# Altium PCB DMB.PcbDoc
Units mm, origin at the board's own origin, x right, y up, seen from the top; angles counter-clockwise.
Board outline 57 x 65 mm, 4 copper layers (Top Layer, Layer 1, Layer 2, Bottom Layer), stack 1.544 mm thick; 73 components, 78 nets, 313 pads, 186 vias.
Unrouted connection lines stored in the file: 5.
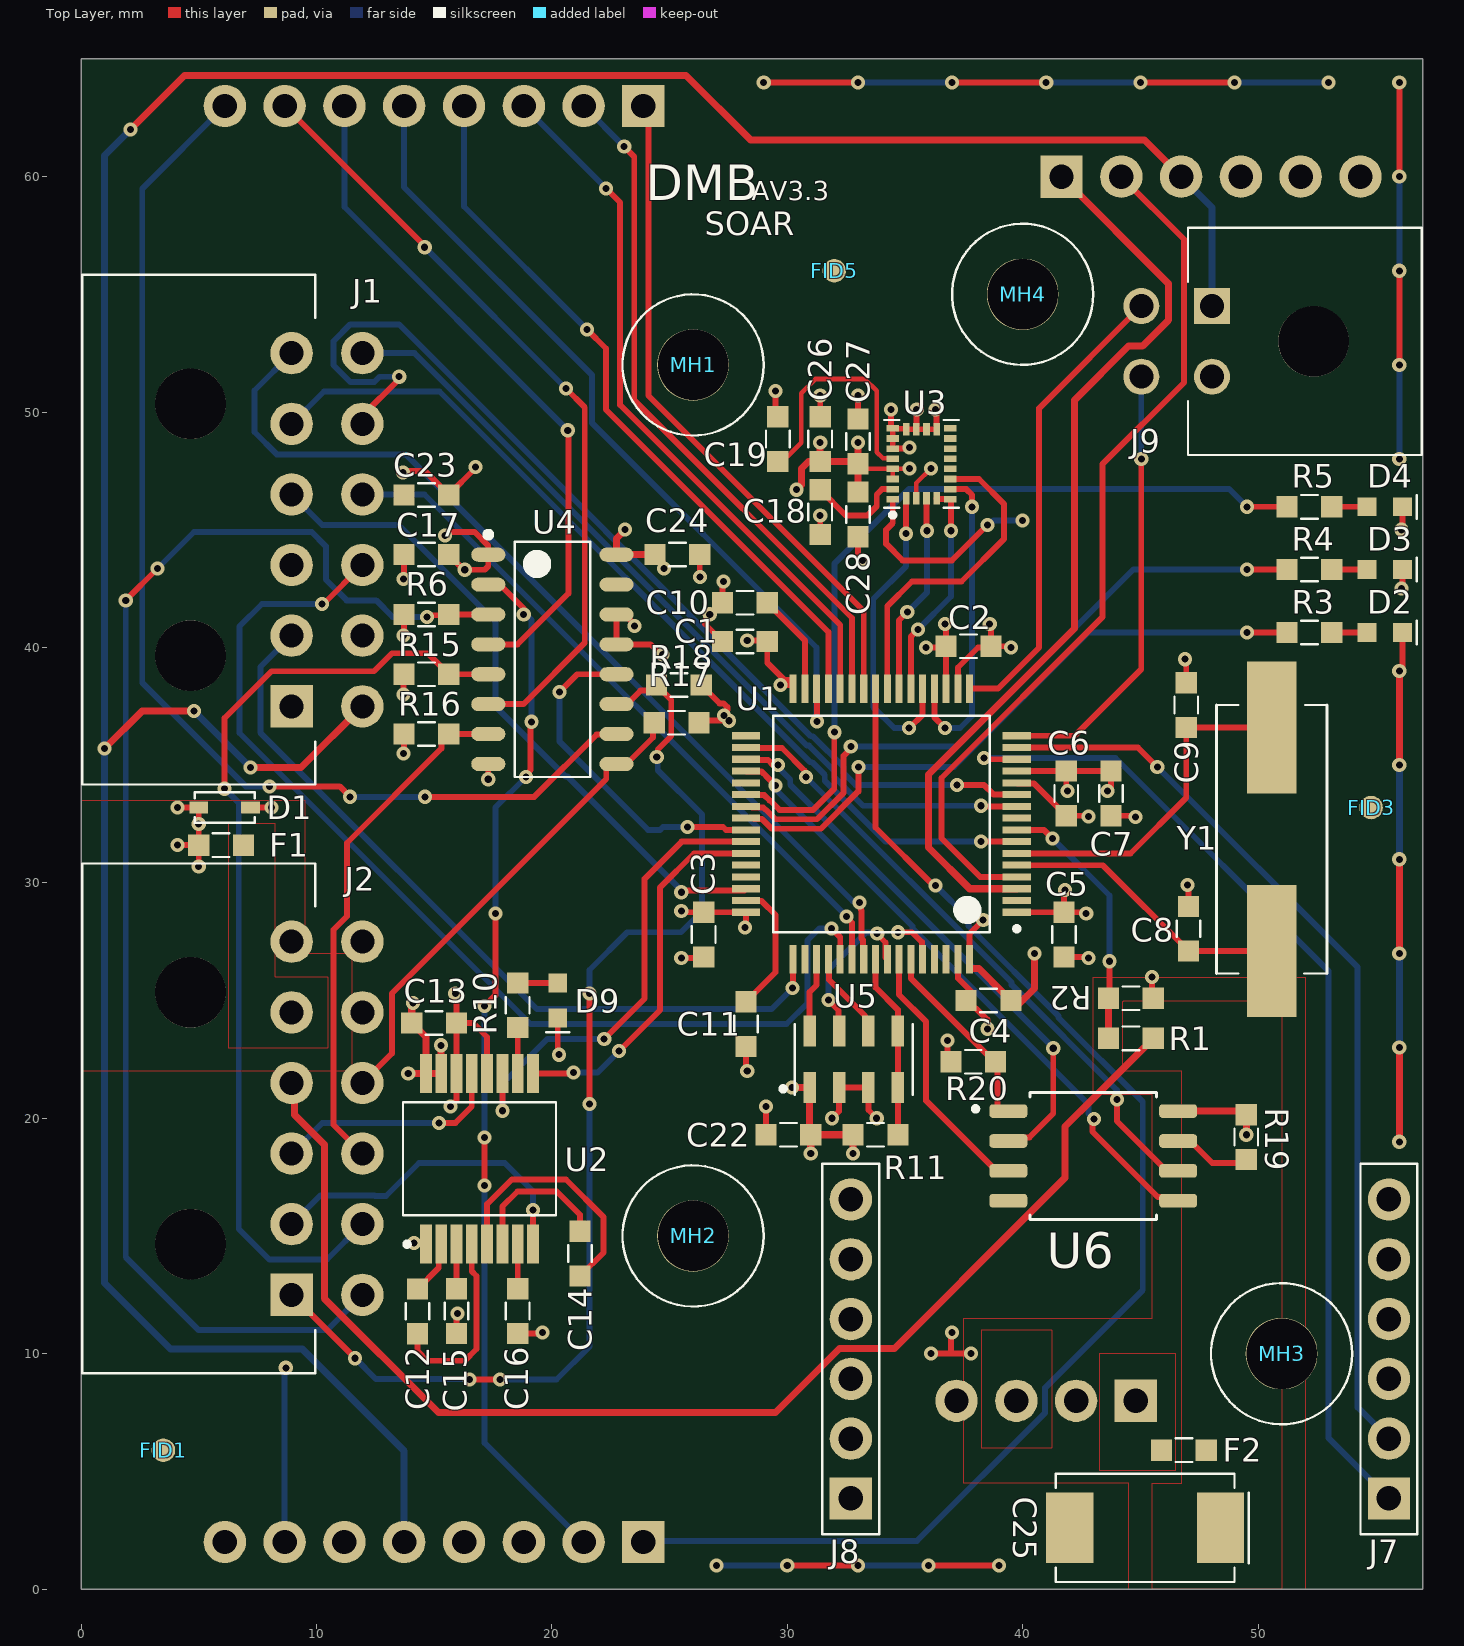
[diagram p0: Top Layer view]
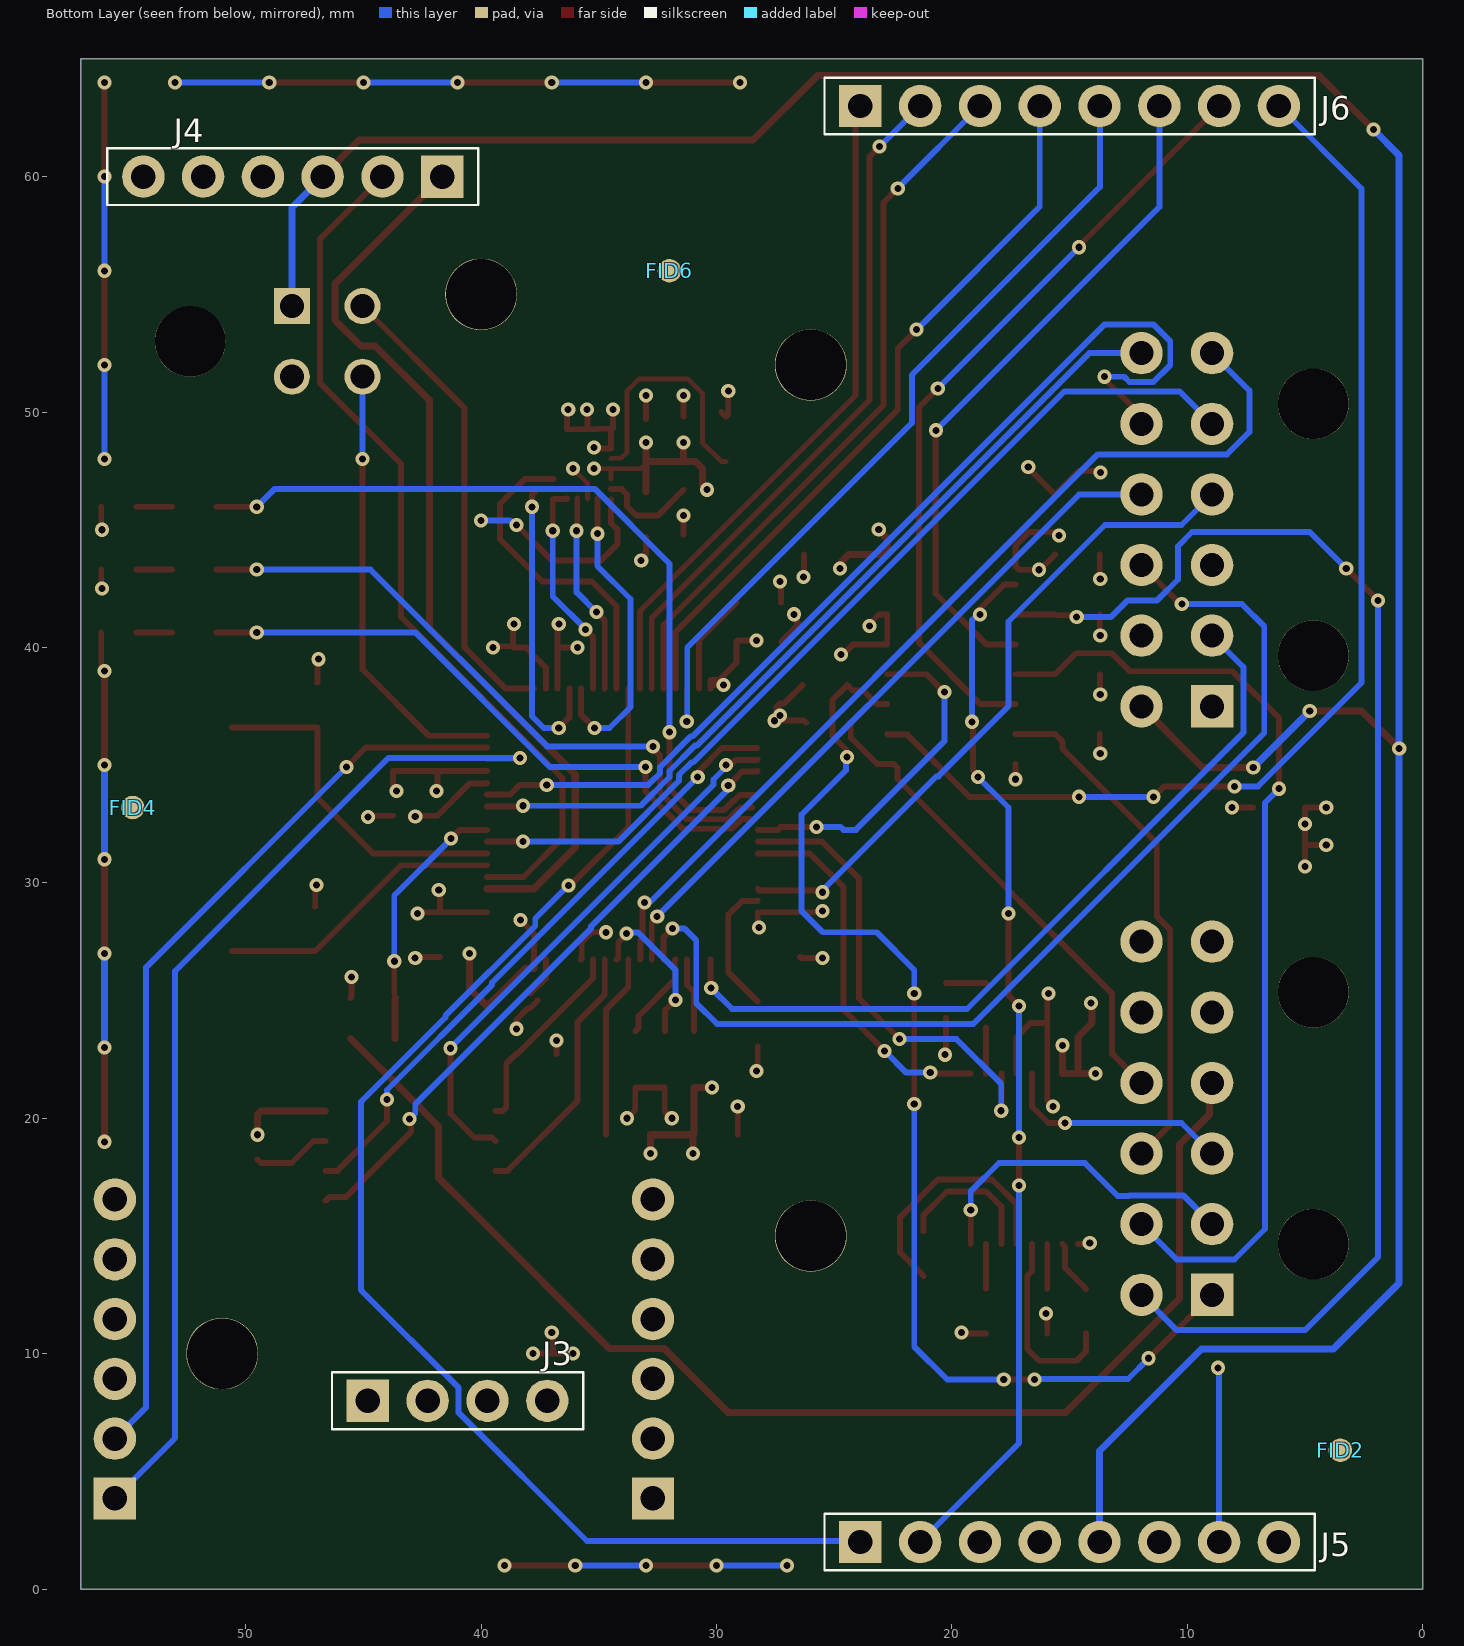
[diagram p1: Bottom Layer view, seen from below]
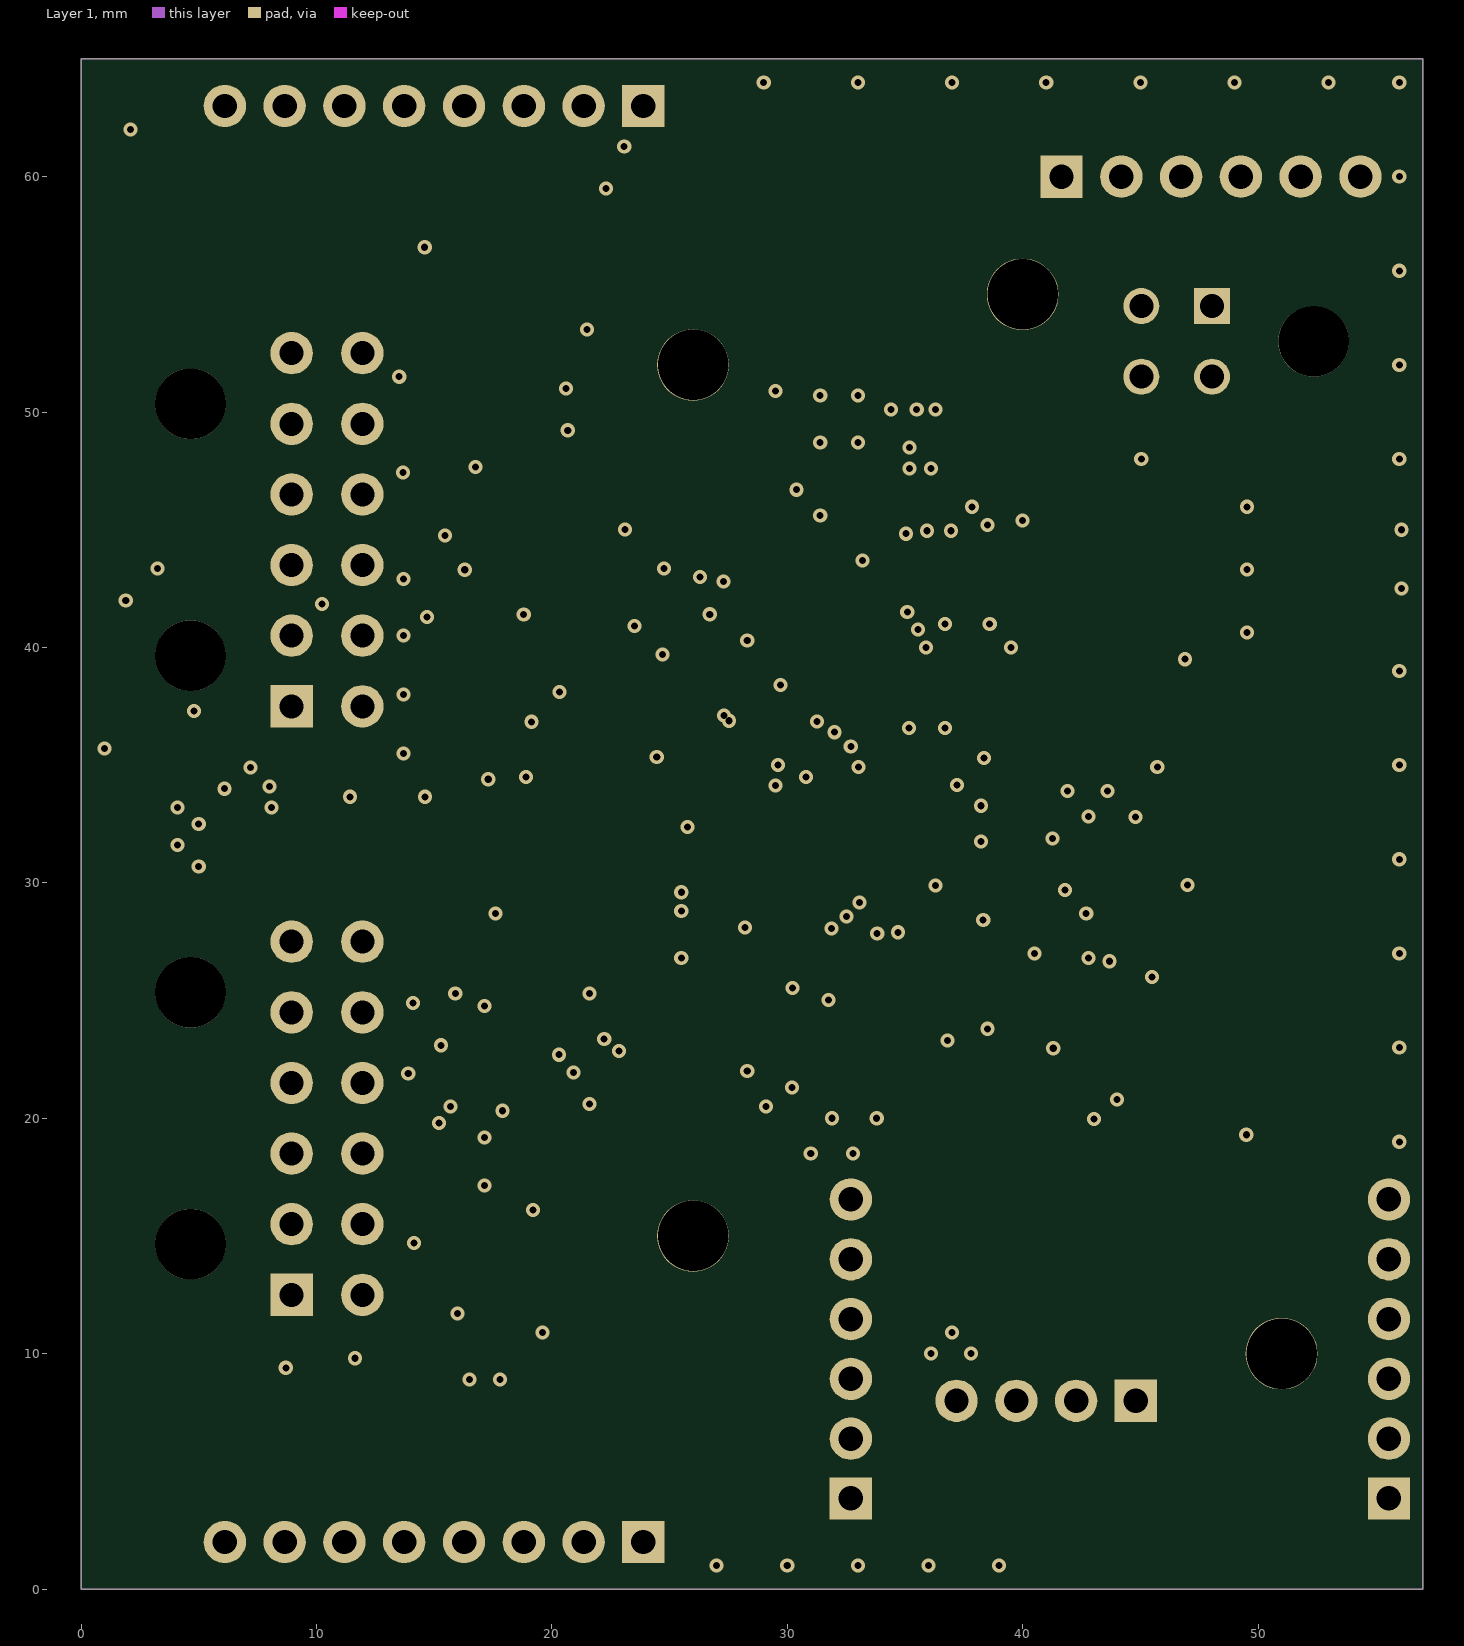
[diagram p2: Layer 1]
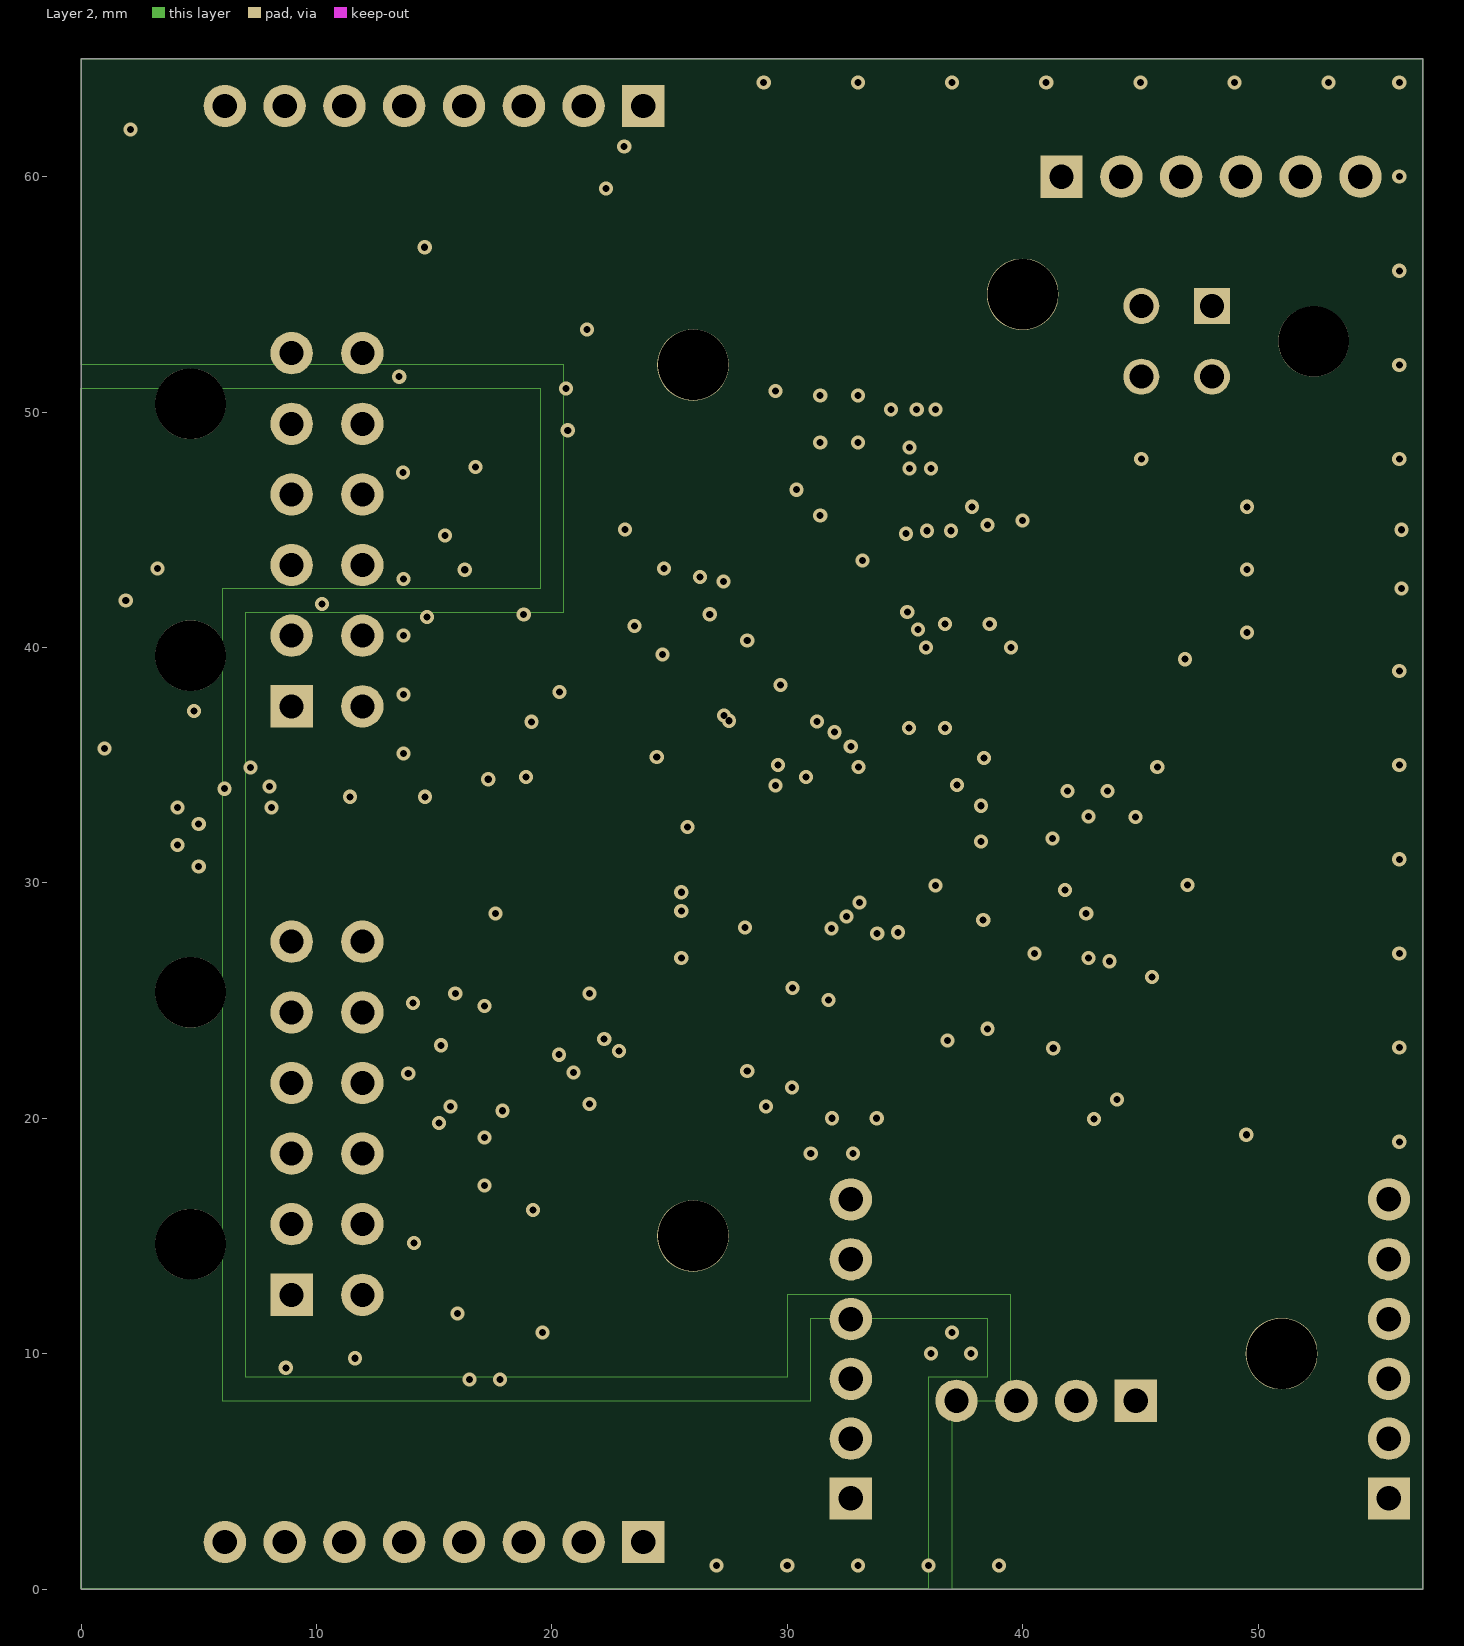
[diagram p3: Layer 2]
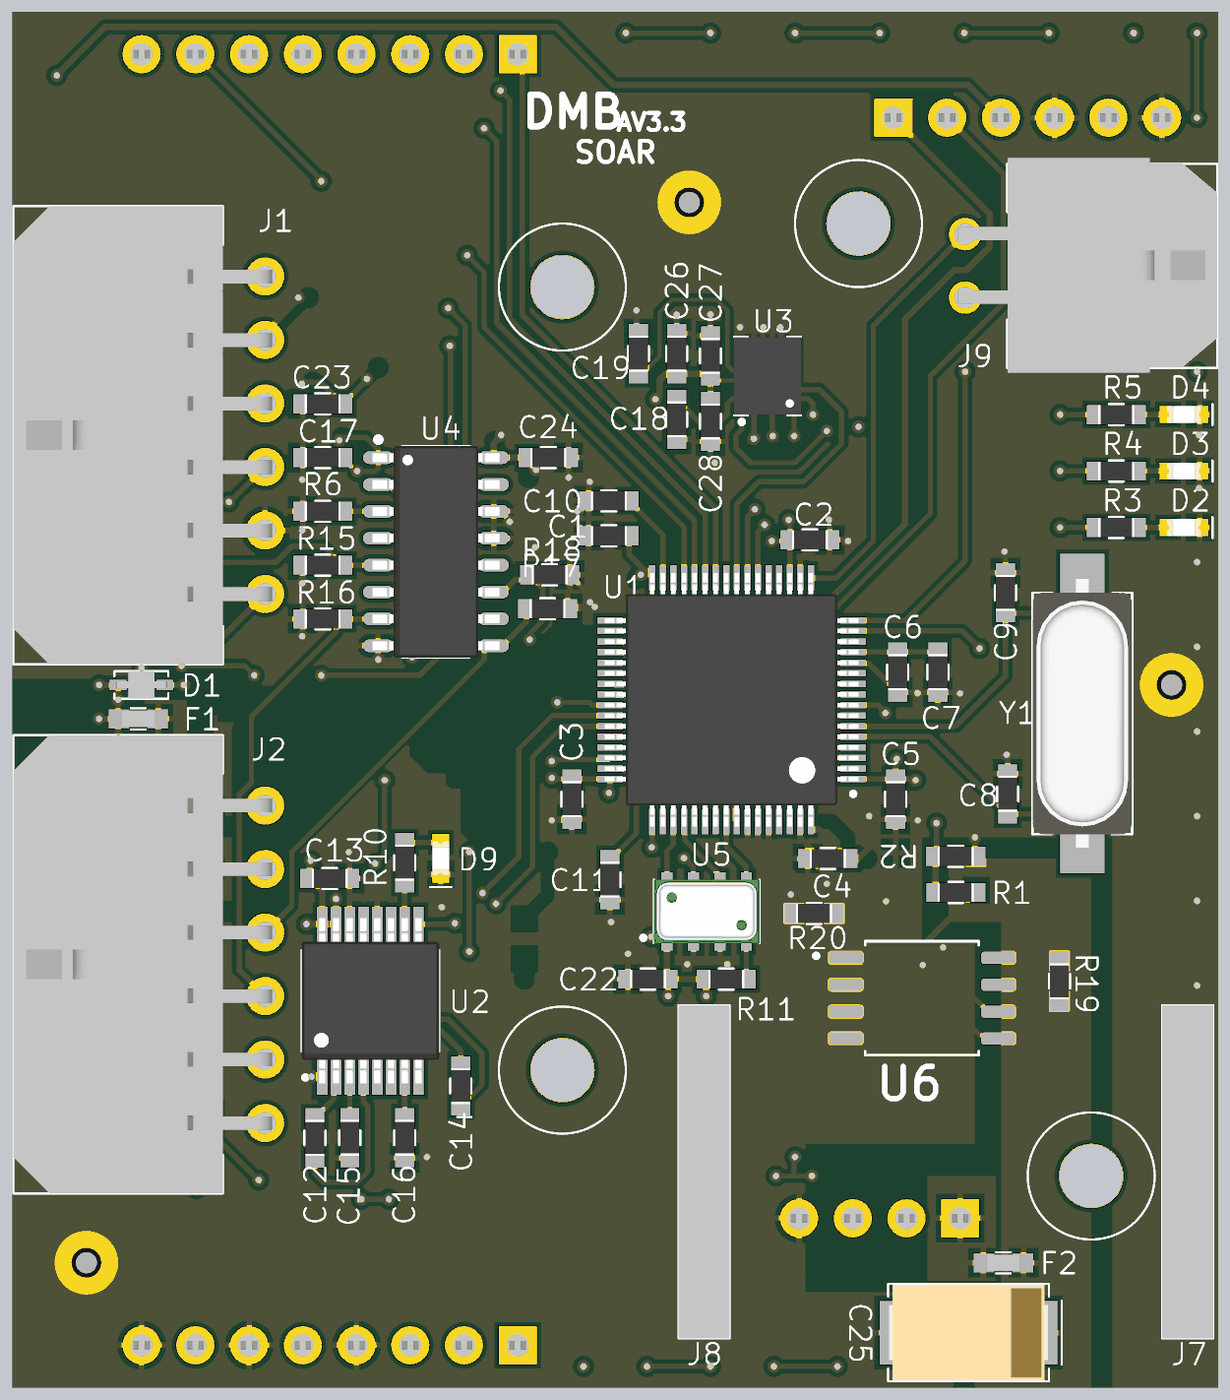
[diagram p4: 3D render of the assembled board from above, using the file's embedded part models]
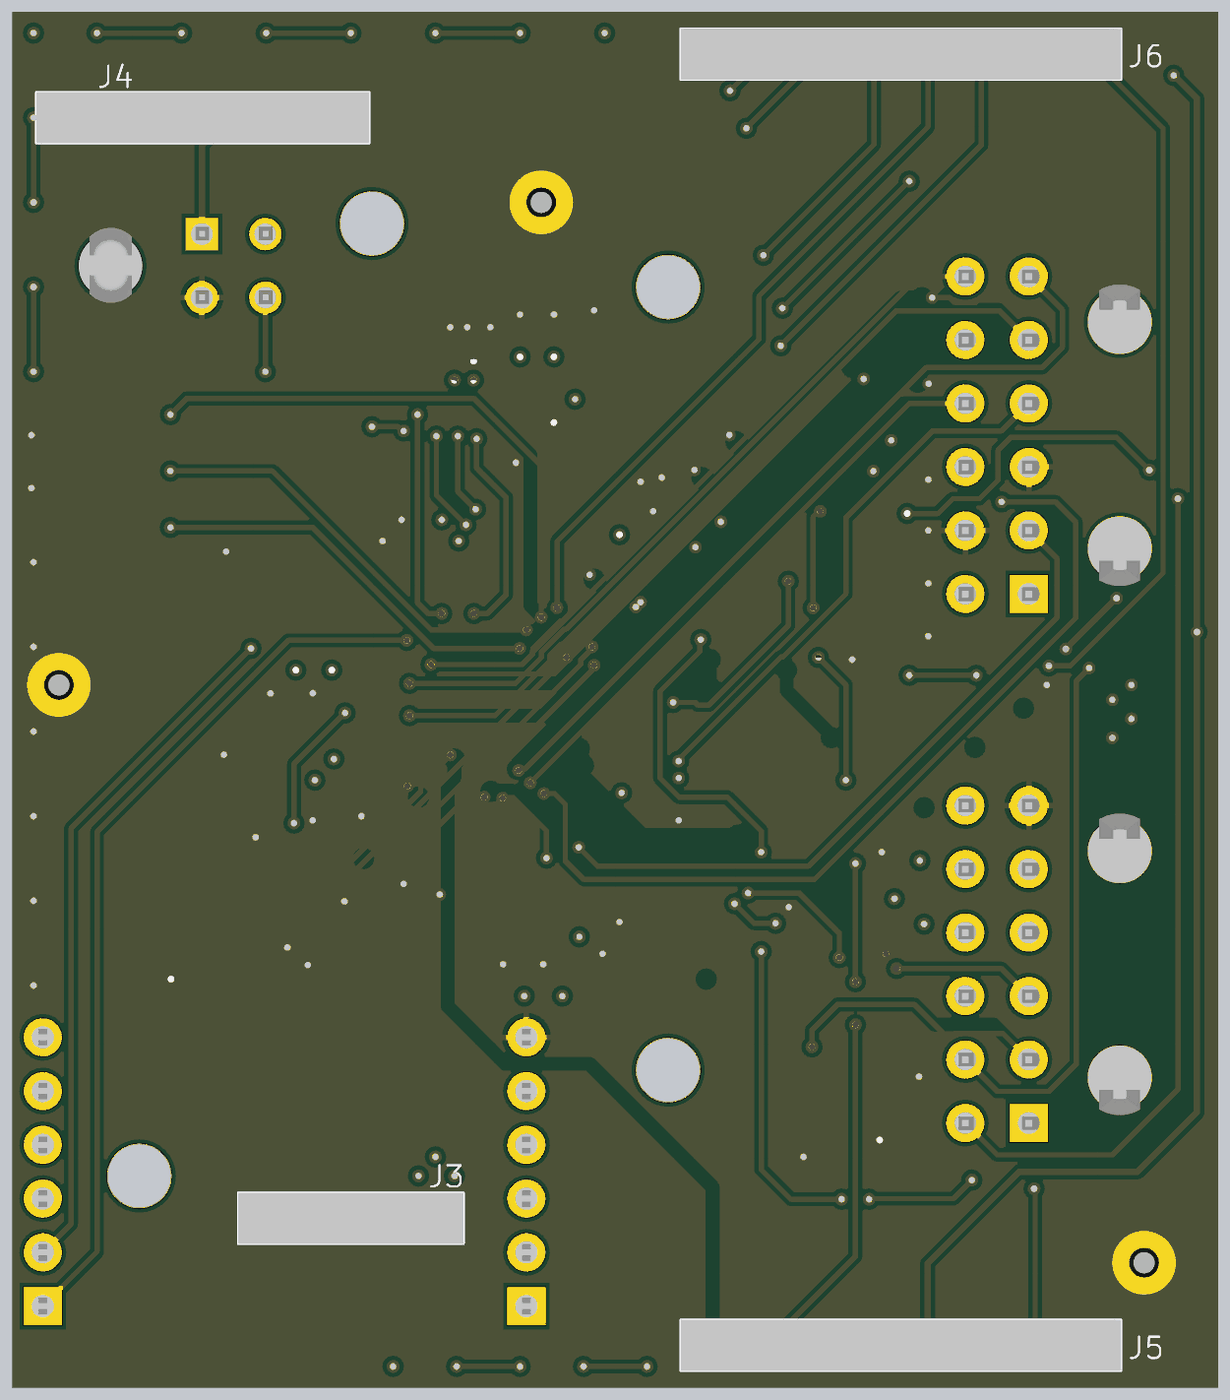
[diagram p5: 3D render of the assembled board from below, using the file's embedded part models]

## Layer stack, top to bottom
Top Solder: solder mask 0.0102, Solder Resist, Dk 3.5
Top Layer: signal copper 0.0356
Dielectric 2: core 0.231, Core-009, Dk 4.5
Layer 1: signal copper 0.036
Dielectric 1: prepreg 0.939, PP-006, Dk 4.1
Layer 2: signal copper 0.036
Dielectric 3: core 0.231, Core-009, Dk 4.5
Bottom Layer: signal copper 0.0356
Bottom Solder: solder mask 0.0102, Solder Resist, Dk 3.5

## Board outline
0,0 0,65 57,65 57,0

## Design rules (kind name [scope] priority, off if disabled: settings)
Clearance [All] p1: gap=0.2 ignorepadtopadclearanceinfootprint=FALSE except(0: Arc-Hole Track-Hole SMDPad-Hole THPad-Hole Via-Hole Fill-Hole Poly-Hole Region-Hole Text-Hole; 0.15: Arc-Arc Arc-Track Arc-SMDPad Track-Track Track-SMDPad SMDPad-SMDPad)
DiffPairsRouting [All] p1: maxlimit=0.254 minlimit=0.15 mostfreqgap=0.254 toplayer_maxgap=0.25 toplayer_prefgap=0.15 toplayer_minwidth=0.15 toplayer_maxwidth=0.25 toplayer_prefwidth=0.25 midlayer1_mingap=0.254 midlayer1_minwidth=0.381 midlayer1_maxwidth=0.381 midlayer1_prefwidth=0.381 midlayer2_mingap=0.254 midlayer2_minwidth=0.381 midlayer2_maxwidth=0.381 midlayer2_prefwidth=0.381 bottomlayer_maxgap=0.25 bottomlayer_prefgap=0.15 bottomlayer_minwidth=0.15 bottomlayer_maxwidth=0.25 bottomlayer_prefwidth=0.25 maxuncoupledlength=12.7
Height [All] p1: minheight=0 maxheight=30 prefheight=12.7
HoleSize [All] p1: absolutevalues=TRUE maxlimit=5 minlimit=0.025 maxpercent=80.000 minpercent=20.000
MinimumSolderMaskSliver [All] p1: minsoldermaskwidth=0.05
PolygonConnect [All] p1: thpad.connectstyle=Relief thpad.reliefconductorwidth=0.254 thpad.reliefentries=4 thpad.polygonreliefangle="90 Angle" thpad.airgapwidth=0.254 smdpad.connectstyle=Relief smdpad.reliefconductorwidth=0.254 smdpad.reliefentries=4 smdpad.polygonreliefangle="90 Angle" smdpad.airgapwidth=0.254 via.connectstyle=Direct via.reliefconductorwidth=0.254 via.reliefentries=4 via.polygonreliefangle="90 Angle" via.airgapwidth=0.254
RoutingVias [All] p1: holewidth=0.35 width=0.7 viastyle="Through Hole" minholewidth=0.25 minwidth=0.5 maxholewidth=0.711 maxwidth=1.27
SilkToSilkClearance [All] p1: silktosilkclearance=0.1
SilkToSolderMaskClearance [IsPad] p1: minsilkscreentomaskgap=0.09 clearancetoexposedcopper=TRUE
SolderMaskExpansion SolderMaskExpansion_Vias [IsVia] p1: expansion=0 istentingtop=TRUE
SolderMaskExpansion [All] p2: expansion=0.05 istentingtop=FALSE
Width [All] p1: maxlimit=2 minlimit=0.2 preferedwidth=0.25 midlayer1_maxwidth=1 midlayer2_maxwidth=1 minimp=50.000000 maximp=50.000000 favimp=50.000000
24 further rules are at their usual default settings.

## Components (designator, comment, footprint, x,y, rotation, side; value= is the part's Value field where it differs from the comment)
C1 "CL10A106MP8NNNC" 0603[1608] 28.2,40.252 r0 top
C2 "CGA3E2X7R1E104K080AA" 0603[1608] 37.7,40.052 r180 top
C3 "CGA3E2X7R1E104K080AA" 0603[1608] 26.45,27.802 r90 top
C4 "CGA3E2X7R1E104K080AA" 0603[1608] 38.55,25 r0 top
C5 "CGA3E2X7R1E104K080AA" 0603[1608] 41.75,27.802 r90 top
C6 "CL10A105KP8NNNC" 0603[1608] 41.85,33.802 r90 top
C7 "CGA3E2X7R1H103K080AA" 0603[1608] 43.75,33.802 r90 top
C8 "06035A240JAT2A" 0603[1608] 47.05,28.052 r90 top
C9 "06035A240JAT2A" 0603[1608] 46.95,37.552 r90 top
C10 "C1608X5R1C225K080AB" 0603[1608] 28.2,41.9 r0 top
C11 "C1608X5R1C225K080AB" 0603[1608] 28.25,24.002 r90 top
C12 "CGA3E2X7R1E104K080AA" 0603[1608] 14.3,11.8 r90 top
C13 "CGA3E2X7R1E104K080AA" 0603[1608] 15,24.052 r180 top
C14 "CGA3E2X7R1E104K080AA" 0603[1608] 21.2,14.25 r270 top
C15 "CGA3E2X7R1E104K080AA" 0603[1608] 15.95,11.806 r90 top
C16 "CGA3E2X7R1E104K080AA" 0603[1608] 18.55,11.806 r90 top
C17 "CL10A106MP8NNNC" 0603[1608] 14.671,43.942 r0 top
C18 "CGA3E2X7R1E104K080AA" 0603[1608] 31.4,45.75 r90 top
C19 "GRM1885C1H103JA01D" 0603[1608] 29.6,48.85 r270 top
C22 "CGA3E2X7R1E104K080AA" 0603[1608] 30.05,19.3 r0 top
C23 "CGA3E2X7R1E104K080AA" 0603[1608] 14.671,46.482 r0 top
C24 "CGA3E2X7R1E104K080AA" 0603[1608] 25.334,43.942 r180 top
C25 "TAJD157K016RNJ" TAJD157K016RNJ 45.2,2.6 r180 top
C26 "CL10A106MP8NNNC" 0603[1608] 31.4,48.85 r270 top
C27 "CGA3E2X7R1E104K080AA" 0603[1608] 33,48.75 r270 top
C28 "CGA3E2X7R1E104K080AA" 0603[1608] 33,45.65 r90 top
D1 "CDSOD323-T12C" CDSOD323-T12C 6.1,33.2 r0 top
D2 "LTST-C191KGKT" LTST-C191KGKT 55.384,40.64 r180 top
D3 "LTST-C191KGKT" LTST-C191KGKT 55.384,43.307 r180 top
D4 "LTST-C191KGKT" LTST-C191KGKT 55.384,45.974 r180 top
D9 "LTST-C191KGKT" LTST-C191KGKT 20.25,25.002 r90 top
F1 "SF-0603FP500M-2" SF-0603FP500M-2 5.95,31.6 r0 top
F2 "SF-0603FP500M-2" SF-0603FP500M-2 46.85,5.9 r180 top
FID1 "FID_1MM_ROUND_SL" FID_1MM_ROUND_SL 3.5,5.9 r0 top
FID2 "FID_1MM_ROUND_SL" FID_1MM_ROUND_SL 3.5,5.9 r90 bottom
FID3 "FID_1MM_ROUND_SL" FID_1MM_ROUND_SL 54.8,33.2 r90 top
FID4 "FID_1MM_ROUND_SL" FID_1MM_ROUND_SL 54.8,33.2 r90 bottom
FID5 "FID_1MM_ROUND_SL" FID_1MM_ROUND_SL 32,56 r90 top
FID6 "FID_1MM_ROUND_SL" FID_1MM_ROUND_SL 32,56 r90 bottom
J1 "10132449-1221GLF" 10132449-1221GLF 8.3,45 r270 top locked
J2 "10132449-1221GLF" 10132449-1221GLF 8.3,20 r270 top
J3 "SSW-104-01-F-S" SSW-104-01-F-S 41,8 r180 bottom
J4 "SSW-106-01-F-S" SSW-106-01-F-S 48,60 r0 bottom locked
J5 "SSW-108-01-F-S" SSW-108-01-F-S 15,2 r180 bottom locked
J6 "SSW-108-01-F-S" SSW-108-01-F-S 15,63 r180 bottom locked
J7 "SSW-106-01-F-S" SSW-106-01-F-S 55.56,10.2 r90 top locked
J8 "SSW-106-01-F-S" SSW-106-01-F-S 32.7,10.2 r90 top locked
J9 "0430450400" 0430450400 48.7,53 r90 top
MH1 "Mounting Hole" MOUNT-HOLE 26,52 r0 top locked
MH2 "Mounting Hole" MOUNT-HOLE 26,15 r0 top locked
MH3 "Mounting Hole" MOUNT-HOLE 51,10 r0 top
MH4 "Mounting Hole" MOUNT-HOLE 40,55 r0 top locked
R1 "RC0603FR-0730KL" 0603[1608] 44.6,23.396 r0 top
R2 "ERJ-3GEYJ103V" 0603[1608] 44.596,25.1 r180 top
R3 "RC1608F331CS" 0603[1608] 52.184,40.64 r180 top
R4 "RC1608F331CS" 0603[1608] 52.184,43.307 r180 top
R5 "RC1608F331CS" 0603[1608] 52.184,45.974 r180 top
R6 "ERJ-3GEYJ103V" 0603[1608] 14.671,41.402 r0 top
R10 "RC1608F331CS" 0603[1608] 18.55,24.802 r90 top
R11 "ERJ-3GEYJ103V" 0603[1608] 33.75,19.3 r180 top
R15 "ERJ-3GEYJ103V" 0603[1608] 14.671,38.862 r0 top
R16 "ERJ-3GEYJ103V" 0603[1608] 14.671,36.322 r0 top
R17 "ERJ-3GEYJ103V" 0603[1608] 25.3,36.8 r180 top
R18 "ERJ-3GEYJ103V" 0603[1608] 25.4,38.4 r180 top
R19 "RT0603DRE076K49L" 0603[1608] 49.5,19.2 r90 top
R20 "RT0603DRE076K49L" 0603[1608] 37.9,22.4 r180 top
U1 "STM32F405RGT6" TSQFP50P1200X1200X160-64N 34,32.5 r180 top
U2 "MAX3221ECPWR" SOP65P780X200-16N 16.925,18.277 r90 top
U3 "LSM9DS1TR" LSM9DS1TR 35.7,47.8 r90 top
U4 "MC14504BDR2G" MC14504BDR2G 20.025,39.495 r0 top
U5 "MS560702BA03-50" MS560702BA03-50 32.825,22.5 r90 top
U6 "W25Q16JVSSIQ" W25Q16JVSSIQ 43,18.4 r0 top
Y1 "ABLS-8.000MHZ-B2-T" ABLS-8.000MHZ-B2-T 50.579,31.852 r270 top
